# KiCad board 8851_HW-U1-VCU118_REV2-0_071417.kicad_pcb (continued)
## Routing (per net, layer and track width the routed paths; a pad name or vN(x,y) marks a point on that pad's centre or on a via; arc(x,y) is an arc through that point) (continued)
FPGA_M0: length 269.9
  TOP w0.15: 109.98,51.52 v2(109.49,51.03) ; 28.2,121.35 28.2,120.25 v3(28.12,120.17) ; v3(118.21,27.02) 118.21,27.23 118.29,27.32 118.29,30.2 118.86,30.77
  14_SIG4 w0.087: v2(109.49,51.03) 109.98,50.53 109.98,48.9 109.98,48.9 109.98,48.85 109.69,48.57 109.2,48.57 108.99,48.36 108.99,46.89 108.7,46.6 108.3,46.6 108.01,46.31 108.01,45.76 107.87,45.61 107.26,45.61 107.03,45.38 107.03,44.92 106.74,44.63 106.33,44.63 106.33,44.63 106.31,44.63 106.04,44.36 106.04,43.81 105.87,43.64 105.35,43.64 105.06,43.36 105.06,43.31 105.06,43.31 105.06,41.61 96.48,33.03 96.48,32.29 93.52,29.33 93.52,28.54 91.62,26.65 87.23,26.65 86.35,25.77 84.3,25.77 83.72,26.35 81.65,26.35 81.05,26.95 77.1,26.95 75.45,28.6 70.62,28.6 69.74,29.48 68.8,29.48 68.35,29.93 68.35,30.87 65.95,33.27 65.95,33.81 65.04,34.72 65.04,36.56 60.67,40.94 60.67,64.61 60.32,64.96 60.32,72.19 56.55,75.95 56.55,80.88 47.74,89.69 28.31,89.69 26.72,91.28 13.24,91.28 10.88,93.64 10.88,96.22 7.85,99.25 7.85,122.33 7.68,122.51 7.68,126.63 6.91,127.4 v3(6.91,129.36)
  16_SIG5 w0.087: v3(6.91,129.36) 8.34,129.36 9.2,128.5 13.12,128.5 13.29,128.34 13.29,127.93 13.5,127.72 13.86,127.72 14.08,127.5 14.08,127.16 14.3,126.94 14.63,126.94 14.87,126.7 14.87,125.9 15.46,125.31 15.46,120.06 15.73,119.78 16.47,119.78 16.96,119.29 16.96,119.28 17.58,118.66 26.8,118.66 28.12,119.98 v3(28.12,120.17)
  18_SIG6 w0.087: v3(118.21,27.02) 118.21,28.55 117.57,29.19 114.76,29.19 113.51,30.43 113.51,32.73 113.19,33.06 113.19,36.35 108.99,40.54 108.99,50.53 v2(109.49,51.03)
  BOTTOM w0.15: R133.1 v3(6.91,129.36)
FPGA_M0_R: length 4.7
  TOP w0.15: 12.5,130.09 v6(12.11,129.69) ; U111.M11 v6(18.41,128.91)
  BOTTOM w0.111: 9.3,129.36 9.36,129.29 11.71,129.29 v6(12.11,129.69)
  BOTTOM w0.15: 9.3,129.36 R133.2
FPGA_M1: length 276.2
  TOP w0.15: v3(29.5,120.15) 29.45,120.2 29.45,121.35 ; v2(112.44,52.01) 112.93,52.5 ; 120.11,30.77 120.11,30.2 119.84,29.93 119.18,29.93 118.82,29.57 v3(118.82,29.34)
  03_SIG1 w0.17: v3(29.5,120.15) 29.5,119.67 28.95,119.12 22.22,119.12 20.3,117.2 14.63,117.2 12.8,119.03 12.8,122.6 11.45,123.95 8.57,123.95 7.65,124.88 7.65,129.63 v3(6.8,130.48)
  14_SIG4 w0.087: v2(112.44,52.01) 112.15,51.72 112.15,51.72 111.94,51.52 111.25,51.52 110.96,51.23 110.96,51.18 110.96,51.18 110.96,48.84 110.69,48.57 110.12,48.57 109.98,48.43 109.98,46.78 109.79,46.6 109.28,46.6 109,46.31 109,46.26 108.99,46.26 108.99,45.9 108.7,45.62 108.3,45.62 108.01,45.32 108.01,45.3 108.01,45.3 108.01,43.93 107.72,43.64 106.19,43.64 106.04,43.49 106.04,41.24 97.7,32.9 97.7,32 94.38,28.68 94.38,28.06 92.5,26.18 87.42,26.18 86.54,25.31 84.11,25.31 83.53,25.89 81.45,25.89 80.86,26.48 76.91,26.48 75.26,28.14 70.42,28.14 69.55,29.01 68.61,29.01 67.89,29.73 67.89,30.68 65.45,33.11 65.45,33.6 64.54,34.51 64.54,36.36 60.2,40.7 60.2,64.37 59.28,65.29 59.28,66.32 59.61,66.65 59.61,71.85 56.01,75.46 56.01,80.58 53.4,83.19 51.11,83.19 45.11,89.19 28.1,89.19 26.51,90.78 13.04,90.78 10.38,93.44 10.38,96.02 6.23,100.17 6.23,124.14 6.99,124.9 6.99,125.58 6.31,126.26 6.31,129.99 v3(6.8,130.48)
  18_SIG6 w0.087: v3(118.82,29.34) 118.82,29.41 118.88,29.47 118.88,29.65 114.28,34.26 114.28,36.8 110.96,40.11 110.96,50.31 111.19,50.53 111.77,50.53 111.95,50.71 111.95,51.52 v2(112.44,52.01)
  BOTTOM w0.15: R135.1 v3(6.8,130.48)
FPGA_M1_R: length 4.4
  TOP w0.15: 12.5,130.88 v6(12.11,130.48)
  BOTTOM w0.111: 8.94,130.86 8.96,130.87 11.72,130.87 v6(12.11,130.48)
  BOTTOM w0.15: R135.2 8.57,130.48 8.94,130.86
FPGA_M2: length 281.2
  TOP w0.15: v3(121.19,29.18) 121.19,30.47 121.49,30.77 ; 30.7,121.35 30.7,120.5 v3(30.38,120.17) ; v2(111.45,52.01) 111.95,52.5
  03_SIG1 w0.17: v3(6.92,132.75) 8.3,131.38 8.3,129.33 9.1,128.53 9.1,126.88 8.43,126.21 8.43,124.87 8.8,124.5 11.68,124.5 13.03,123.15 13.05,123.15 13.35,122.85 13.35,119.33 13.95,118.72 14.57,118.72 15.55,117.75 20.07,117.75 21.99,119.66 28.51,119.66 28.75,119.9 28.75,120.45 29.02,120.72 29.83,120.72 v3(30.38,120.17)
  14_SIG4 w0.087: v3(6.92,132.75) 7.67,132.01 7.67,127.34 8.18,126.84 8.18,122.81 9.79,121.19 9.79,114.64 8.8,113.65 8.8,99.22 11.38,96.65 11.38,93.85 13.45,91.77 26.93,91.77 28.51,90.19 48.73,90.19 57.95,80.97 57.95,75.26 60.82,72.39 60.82,66.96 61.45,66.33 61.45,65.4 61.34,65.28 61.34,46.55 61.13,46.34 61.13,41.18 65.54,36.77 65.54,34.92 66.45,34.01 66.45,33.42 70.81,29.06 75.64,29.06 77.29,27.41 81.24,27.41 81.84,26.81 83.91,26.81 84.49,26.23 86.16,26.23 87.03,27.11 90.02,27.11 95.12,32.21 95.12,32.74 104.07,41.7 104.07,43.45 104.27,43.64 104.82,43.64 105.05,43.88 105.05,44.4 105.28,44.63 105.75,44.63 106.04,44.92 106.04,45.32 106.33,45.61 106.53,45.61 106.53,45.61 106.74,45.61 107.02,45.9 107.02,46.27 107.03,46.28 107.03,46.31 107.31,46.6 107.8,46.6 108.01,46.81 108.01,48.31 108.27,48.57 108.72,48.57 108.99,48.84 108.99,51.23 109.28,51.52 110.71,51.52 111.2,52.01 v2(111.45,52.01)
  18_SIG6 w0.087: v2(111.45,52.01) 110.96,51.52 110.96,50.81 110.68,50.53 110.17,50.53 109.98,50.34 109.98,40.33 113.73,36.57 113.73,33.97 115.27,32.43 115.27,31.11 116.59,29.8 117.62,29.8 118.59,28.82 120.83,28.82 v3(121.19,29.18)
  BOTTOM w0.15: R83.1 v3(6.92,132.75)
FPGA_M2_R: length 1.7
  TOP w0.15: 10.14,132.45 v6(9.75,132.84)
  BOTTOM w0.15: v6(9.75,132.84) 9.66,132.75 R83.2
FPGA_PROG_B: length 388.9
  TOP w0.375: 120.8,52.5 v2(121.3,52.01) ; v3(99.95,135.43) 99.72,135.21 99.72,134.58 99.42,134.28 SW4.2 ; 11.72,127.73 v6(11.32,127.33) ; v3(92.53,133.9) 90.4,133.9 SW4.1
  07_SIG3 w0.25: 102.08,41.58 102.08,43.37 102.38,43.67 103.79,43.67 104.1,43.98 104.1,44.33 104.37,44.6 104.8,44.6 105.09,44.89 105.09,45.31 105.36,45.58 105.7,45.58 106.07,45.95 106.07,46.3 106.34,46.57 106.75,46.57 107.05,46.87 107.05,47.28 107.33,47.55 107.67,47.55 107.99,47.87 107.99,48.34 108.23,48.58 108.78,48.58 108.99,48.79 108.99,49.28 109.25,49.54 109.72,49.54 109.99,49.81 109.99,50.27 110.3,50.58 110.69,50.58 110.92,50.8 110.92,51.25 111.18,51.51 120.79,51.51 v2(121.3,52.01)
  07_SIG3 w0.375: v3(66.12,135.86) 66.12,138.8 63.7,141.22 61.69,141.22 59.04,143.87 58.31,143.87 57.71,144.48 57.71,146.62 56.14,148.19 56.14,148.83 53,151.97 53,153.28 50.12,156.16 47.67,156.16 43.28,160.55 26.47,160.55 18.33,168.69 4.12,168.69 v3(2.25,166.83) ; v3(61.86,43.91) 61.86,41.89 66.6,37.15 66.6,32.53 68,31.12 75.45,31.12 76.59,32.27 85.99,32.27 86.21,32.05 88.65,32.05 91.95,35.35 94.03,35.35 96.41,37.73 98.29,37.73 102.08,41.52 102.08,41.58
  16_SIG5 w0.125: v6(11.32,127.33) 11.71,127.72 12.28,127.72 12.5,127.5 12.5,127.18 12.85,126.83 12.85,126.6 12.62,126.6 12.28,126.93 11.72,126.93 v6(11.32,127.33) ; v6(11.32,127.33) 10.93,126.94 9.15,126.94 8.86,126.65 8.34,126.65 7.9,127.09 7.9,127.16 8.37,127.63 9.09,127.63 9.18,127.72 10.93,127.72 v6(11.32,127.33)
  16_SIG5 w0.375: 12.85,126.6 14.39,125.06 14.39,120.91 14.85,120.45 14.85,119.17 16.35,117.67 19.68,117.67 20.35,117 20.35,115.47 19.38,114.5 19.38,106.42 18.62,105.67 18.62,93.97 22.07,90.52 31.65,90.52 32.77,91.65 v3(39.27,91.65) ; v3(2.25,166.83) 2.25,155.2 8.43,149.02 8.43,142.48 5.15,139.2 5.15,128.82 6.81,127.16 7.9,127.16
  18_SIG6 w0.375: v3(61.86,43.91) 61.31,43.91 60.52,44.7 60.52,60.78 55.73,65.58 55.73,66.35 50.45,71.62 45.45,71.62 43.75,73.33 41.35,73.33 40.55,74.12 40.55,80.17 40.1,80.62 40.1,90.83 v3(39.27,91.65)
  BOTTOM w0.375: v3(2.25,166.83) 2.5,166.58 R140.1 ; v3(66.12,135.86) 67.78,137.53 88.91,137.53 v3(92.53,133.9) 94.88,136.25 99.13,136.25 v3(99.95,135.43) 100.37,135.01 R53.2
FPGA_SYSMON_VCC: length 2.5
  TOP w0.375: v2(114.41,58.9) 114.9,59.39
  BOTTOM w0.25: 116,58.42 115.15,58.42 114.67,58.9 v2(114.41,58.9)
  vias: v3(123.12,29.05) v3(123.5,29.79)
FPGA_TDO_FMC_TDI: length 240.4
  TOP w0.15: v2(117.36,53.98) 116.87,54.47 ; U19.3 52.16,144.13 51.88,144.41 51.88,145.66 51.47,146.07 49.81,146.07 v3(49.07,146.81)
  07_SIG3 w0.17: v3(49.07,146.81) 49.73,146.15 51.19,146.15 51.93,145.41 51.93,142.52 52.22,142.22 53.22,142.22 54.12,141.32 54.12,127.31 54.41,127.02 54.41,121.65 53.27,120.52 53.27,90.15 46.28,83.16 46.28,82.47 43.4,79.59 41.84,79.59 39.25,77 35.8,77 30.85,72.05 30.85,67.8 35.5,63.15 35.5,53.28 44.3,44.47 44.3,42.6 47.1,39.8 50.42,39.8 51.05,39.17 v3(52.92,39.17)
  14_SIG4 w0.087: v3(52.92,39.17) 53.59,38.51 60.22,38.51 62.95,35.77 62.95,34.04 63.99,33 63.99,32.61 66.5,30.1 66.5,29.16 68.08,27.57 69.03,27.57 70.17,26.43 70.17,25.32 70.75,24.75 78.54,24.75 81.04,22.25 86.43,22.25 87.75,23.58 92.64,23.58 93.34,22.88 95.94,22.88 100.81,27.74 103.43,27.74 104.11,28.43 104.11,29.11 105.47,30.46 105.47,33.24 111.95,39.72 111.95,43.4 112.19,43.65 112.71,43.65 112.93,43.87 112.93,45.35 113.2,45.62 113.63,45.62 113.91,45.9 113.91,46.31 114.06,46.46 114.07,46.46 114.2,46.6 114.76,46.6 114.9,46.73 114.9,48.31 115.16,48.57 115.63,48.57 115.91,48.84 115.91,51.28 116.09,51.46 116.09,53.2 116.87,53.98 v2(117.36,53.98)
FPGA_TDO_FMC_TDI_BUF: length 27.4
  TOP w0.15: U19.21 59.13,143.49 58.23,144.4 58.23,145.83 58.58,146.18 59.52,146.18 60.2,146.85 60.2,148.53 61.23,149.55 v3(62.27,149.55) ; J22.D30 v3(69,159.5)
  BOTTOM w0.15: v3(69,159.5) 68.4,158.9 68.4,150.83 66.6,149.03 64.65,149.03 64.01,149.66 63.44,149.66 62.39,149.66 v3(62.27,149.55)
FPGA_VBATT: length 57.8
  TOP w0.375: 128.68,52.5 v2(129.17,52.01) ; v3(166.83,24.53) 167.31,24.05 168.8,24.05
  18_SIG6 w0.25: 139.58,46.27 139.24,46.61 131.86,46.61 131.63,46.84 131.63,47.28 131.33,47.58 130.86,47.58 130.65,47.8 130.65,48.31 130.39,48.57 129.94,48.57 129.66,48.84 129.66,49.26 129.38,49.55 128.99,49.55 128.68,49.86 128.68,51.52 v2(129.17,52.01)
  18_SIG6 w0.5: 139.58,46.27 152.07,33.78 158.62,33.78 159.43,32.98 159.43,29.55 160.12,28.85 162.51,28.85 v3(166.83,24.53)
  BOTTOM w0.375: 167.85,24.29 167.06,24.29 v3(166.83,24.53)
GPIO_DIP_SW1: length 117.6
  TOP w0.15: v2(94.72,57.92) 95.21,58.41 ; 63.2,67.38 v3(62.12,67.38)
  14_SIG4 w0.087: v2(94.72,57.92) 95.21,57.42 104.77,57.42 105.06,57.14 105.06,56.73 105.34,56.44 105.75,56.44 106.04,56.15 106.04,55.74 106.33,55.46 106.74,55.46 107.02,55.17 107.02,54.76 107.31,54.47 107.72,54.47 108.01,54.18 108.01,48.72 107.85,48.56 107.4,48.56 107.4,48.56 107.31,48.56 107.03,48.28 107.03,46.84 106.79,46.6 106.33,46.6 106.31,46.58 106.3,46.58 106.05,46.33 106.05,46.32 106.04,46.31 106.04,45.89 105.76,45.61 105.29,45.61 105.06,45.38 105.06,44.86 104.83,44.63 104.36,44.63 104.07,44.34 104.07,44.3 104.07,44.29 104.07,43.89 103.82,43.64 103.38,43.64 103.09,43.35 103.09,41.93 93.83,32.67 93.83,32.02 89.88,28.07 80.3,28.07 80.1,27.87 77.48,27.87 75.83,29.53 71,29.53 66.94,33.58 66.94,34.22 66.04,35.13 66.04,36.98 63.05,39.96 63.05,42.9 63.85,43.69 63.85,44.81 61.87,46.79 61.87,62.89 63.38,64.39 63.38,66.13 v3(62.12,67.38)
  BOTTOM w0.15: v3(62.12,67.38) 61.87,67.63 60.92,67.63
  BOTTOM w0.375: v3(59.12,67.59) 59.16,67.63 R51.1
GPIO_DIP_SW2: length 114
  TOP w0.15: v2(99.64,56.93) 100.13,57.42 100.13,57.42 ; 63.2,68.63 v3(62.12,68.63)
  TOP w0.375: v2(108.5,81.54) U1.G16
  14_SIG4 w0.087: v3(62.12,68.63) 61.5,69.25 61.5,70.17 61.88,70.55 62.62,70.55 65.13,68.05 65.13,62.79 63.19,60.85 63.19,55.12 63.62,54.69 63.62,46.35 64.77,45.19 64.77,43.25 63.98,42.46 63.98,40.44 65.81,38.61 67.5,38.61 68.46,37.64 68.46,34.12 68.83,33.75 69.36,33.75 72.66,30.45 76.21,30.45 77.87,28.8 79.68,28.8 79.87,29 88.43,29 99.63,40.2 99.64,40.2 101.12,41.68 101.12,43.35 101.41,43.64 101.89,43.64 102.11,43.86 102.11,44.43 102.3,44.63 102.82,44.63 103.09,44.89 103.09,46.41 103.27,46.6 104.87,46.6 105.1,46.83 105.1,48.33 105.28,48.5 105.79,48.5 106.04,48.75 106.04,53.2 105.75,53.49 105.34,53.49 105.06,53.78 105.06,54.18 104.77,54.47 104.36,54.47 104.07,54.76 104.07,55.17 103.78,55.46 102.39,55.46 102.1,55.74 102.1,56.15 101.82,56.44 100.13,56.44 v2(99.64,56.93)
  BOTTOM w0.15: v3(62.12,68.63) 61.87,68.88 60.92,68.88
  BOTTOM w0.375: v3(59.12,68.84) 59.16,68.88 R50.1
GPIO_DIP_SW3: length 110.2
  TOP w0.15: v2(101.61,56.93) 102.1,57.42 102.1,57.42 ; 63.2,69.88 v3(62.12,69.88)
  14_SIG4 w0.087: v2(101.61,56.93) 101.81,56.93 102.3,56.44 104.77,56.44 105.06,56.15 105.06,55.74 105.34,55.46 105.75,55.46 106.04,55.17 106.04,54.76 106.33,54.47 106.74,54.47 107.02,54.18 107.02,48.8 106.8,48.58 106.33,48.58 106.04,48.29 106.04,46.78 105.86,46.6 105.35,46.6 105.33,46.58 105.32,46.58 105.05,46.31 105.05,45.78 104.89,45.61 104.36,45.61 104.07,45.32 104.07,44.92 104.07,44.92 104.07,44.83 103.88,44.63 103.3,44.63 103.09,44.41 103.09,43.86 102.88,43.64 102.32,43.64 102.1,43.43 102.1,41.95 88.68,28.53 80.11,28.53 79.91,28.34 77.68,28.34 76.02,29.99 72.47,29.99 69.17,33.29 68.44,33.29 67.67,34.05 67.67,37.46 67.13,38 65.71,38 63.51,40.2 63.51,42.7 64.31,43.49 64.31,45 62.37,46.94 62.37,61.78 64.03,63.44 64.03,67.98 v3(62.12,69.88)
  BOTTOM w0.15: 60.92,70.13 61.87,70.13 v3(62.12,69.88)
  BOTTOM w0.375: R41.1 59.16,70.13 v3(59.12,70.09)
GPIO_DIP_SW4: length 52.2
  TOP w0.15: 97.18,62.35 v2(96.69,61.85) ; 63.2,71.13 v3(62.12,71.13)
  TOP w0.375: v2(113.42,84.49) U1.D21
  BOTTOM w0.15: 60.92,71.26 62,71.26 v3(62.12,71.13) 62.12,72.22 62.88,72.97 64.03,72.97 67.19,69.81 80.05,69.81 80.4,69.46 80.4,66.53 81.47,65.46 81.98,65.46 82.24,65.21 82.24,60.62 83.75,59.11 88.63,59.11 91.86,62.34 96.21,62.34 v2(96.69,61.85)
  BOTTOM w0.375: v3(59.12,71.34) 59.21,71.26 R40.1
GPIO_LED0: length 154.2
  TOP w0.138: 214.86,156.59 214.86,156.03 214.91,155.98 v3(214.91,155.83)
  TOP w0.15: 128.68,73.17 v2(129.17,73.66)
  07_SIG3 w0.17: v3(214.91,155.83) 214.29,156.46 212.84,156.46 212.51,156.13 212.51,155.41 211.42,154.32 211.01,154.32 210.18,153.49 208.41,153.49 207.97,153.04 207.97,152.26 208.48,151.75 208.48,145.04 207.89,144.45 207.89,139.78 204.25,136.14 204.25,134.32 205.55,133.03 205.55,132.16 202.86,129.46 202.86,121.84 185.54,104.52 182.95,104.52 180.15,101.72 164.63,101.72 164.22,102.14 146.12,102.14 145.23,103.02 142.65,103.02 141.99,102.36 136.99,102.36 134.48,99.85 134.48,98.79 133.15,97.46 133.15,96.47 132.38,95.7 131.05,95.7 128.67,93.32 128.67,74.16 v2(129.17,73.66)
  BOTTOM w0.15: v3(214.91,155.83) 214.91,155.96 214.84,156.03 214.84,156.57
GPIO_LED1: length 140.6
  TOP w0.138: 212.86,156.59 212.86,156.03 213.05,155.83 v3(213.05,155.82)
  TOP w0.15: 130.65,75.14 v2(131.14,75.63)
  07_SIG3 w0.17: v3(166.55,93.22) 166.55,93.88 169.4,96.73 169.4,98.64 171.93,101.17 181.78,101.17 183.24,102.64 184.9,102.64 203.48,121.21 203.48,129.19 206.1,131.81 206.1,133.25 204.8,134.55 204.8,135.91 208.44,139.55 208.44,144.23 209.02,144.81 209.02,151.56 211.24,153.78 211.65,153.78 213.05,155.19 v3(213.05,155.82)
  20_SIG7 w0.087: v3(166.55,93.22) 165.68,92.35 165.68,86.03 164.8,85.15 153.72,85.15 v3(150.75,82.18)
  BOTTOM w0.15: 212.84,156.57 212.84,156.03 v3(213.05,155.82) ; v3(150.75,82.18) 150.75,81.59 149.89,80.74 146.09,80.74 143.45,78.09 134.84,78.09 134.58,77.83 134.58,77.41 134.29,77.11 133.81,77.11 133.6,76.9 133.6,75.44 133.3,75.14 131.61,75.14 131.14,75.61 v2(131.14,75.63)
GPIO_LED2: length 181.5
  TOP w0.138: 210.98,156.59 210.98,156.03 211.18,155.83 v3(211.18,155.82)
  TOP w0.15: 132.62,71.2 v2(133.11,71.7)
  TOP w0.375: R122.1 v3(209.66,157.34)
  03_SIG1 w0.17: v2(133.11,71.7) 132.61,71.2 132.61,71.2 131.79,71.2 131.63,71.04 131.63,70.35 131.5,70.22 129.91,70.22 129.66,69.97 129.66,69.52 129.37,69.23 127,69.23 126.71,69.52 126.71,70.02 126.51,70.22 125.91,70.22 125.73,70.4 125.73,70.92 125.44,71.2 125.44,71.2 124.96,71.2 124.74,71.42 124.74,71.95 124.5,72.19 124.45,72.19 124.04,72.19 123.79,72.44 123.79,72.45 123.76,72.48 123.76,74.85 124.05,75.14 124.5,75.14 124.74,75.38 124.74,75.93 124.94,76.12 125.44,76.12 125.73,76.41 125.73,76.86 125.97,77.11 126.49,77.11 126.71,77.32 126.71,77.85 126.96,78.09 127.46,78.09 127.69,78.32 127.69,79.77 127.98,80.06 128.39,80.06 128.39,80.06 128.4,80.06 128.66,80.32 128.66,80.33 128.68,80.35 128.68,80.76 128.97,81.05 129.41,81.05 129.66,81.29 129.66,81.33 129.66,81.33 129.66,81.75 129.9,81.99 129.91,81.99 129.95,82.03 138.29,82.03 138.52,82.26 138.52,82.75 138.78,83.01 139.22,83.01 139.23,83.03 139.25,83.03 141.29,85.07 141.29,96.44 140.27,97.46 140.27,98.63 141.29,99.66 141.29,101.96 140.49,102.76 140.49,104.16 142.46,106.14 145.34,106.14 146.19,106.99 151.59,106.99 152.5,107.9 155.16,107.9 159.23,111.97 162.02,111.97 165.37,115.31 165.37,117.48 167.02,119.13 167.02,125.96 169.58,128.53 169.58,135.38 171.6,137.4 172.15,137.4 174.6,139.85 182.97,139.85 188.55,134.28 188.55,134 191.03,131.53 197.68,131.53 198.7,132.55 198.7,136.2 199.32,136.82 200.95,136.82 204.35,140.22 204.35,146.23 206.72,148.61 206.72,150.12 207.38,150.78 208.13,150.78 209,151.65 209,152.42 210.86,154.28 211.47,154.28 211.83,154.65 211.83,154.97 211.18,155.63 v3(211.18,155.82)
  BOTTOM w0.15: 210.96,156.57 210.96,156.03 v3(211.18,155.82)
  BOTTOM w0.375: v3(210.1,155.83) 210.18,155.91 Q14.1
GPIO_LED3: length 158
  TOP w0.138: v3(209.3,155.82) 209.3,155.83 209.11,156.03 209.11,156.59
  TOP w0.15: 134.58,73.17 v2(135.08,73.66)
  TOP w0.375: R121.1 v3(207.78,157.34)
  05_SIG2 w0.17: v2(143.03,91.1) 143.03,95.21 143.84,96.03 143.84,98.22 145.49,99.86 145.49,100.85 146.53,101.89 146.53,103.22 147.2,103.9 147.2,104.38 147.75,104.92 154.23,104.92 155.05,105.75 156.3,105.75 157.21,104.85 165.08,104.85 171.84,111.6 173.07,111.6 181.73,120.27 186.57,120.27 195.65,129.35 198.3,129.35 199.85,130.9 199.85,136.24 204.09,140.48 204.09,145.82 203.32,146.59 203.32,147.58 202.94,147.96 202.94,148.95 202.23,149.66 201.64,149.66 201.22,150.09 201.22,151.5 201.72,152 203.27,152 203.77,152.5 203.77,152.8 204.18,153.21 204.27,153.21 205.66,154.6 206.53,154.6 206.77,154.37 207.84,154.37 v3(209.3,155.82)
  BOTTOM w0.15: v2(143.03,91.1) 134.9,91.1 131.62,87.83 131.62,86.2 131.4,85.97 130.97,85.97 130.65,85.65 130.65,85.28 130.35,84.98 128.91,84.98 128.68,84.75 128.68,84.29 128.38,84 128.05,84 127.69,83.64 127.69,83.31 127.4,83.01 127.04,83.01 126.71,82.68 126.71,75.44 127.01,75.14 128.38,75.14 128.68,74.85 128.68,74.4 128.92,74.16 129.37,74.16 129.66,73.86 129.66,73.41 129.9,73.17 130.35,73.17 130.65,72.87 130.65,72.49 130.95,72.19 134.41,72.19 134.58,72.36 134.58,72.88 135.08,73.37 v2(135.08,73.66) ; 209.09,156.57 209.09,156.03 v3(209.3,155.82)
  BOTTOM w0.375: Q13.1 208.3,155.96 v3(208.18,155.84)
GPIO_LED4: length 158
  TOP w0.138: 207.11,156.59 207.11,156.03 207.3,155.83 v3(207.3,155.82)
  TOP w0.15: v2(139.01,73.66) 138.52,73.17
  TOP w0.375: R120.1 v3(205.82,157.3)
  05_SIG2 w0.17: v3(207.3,155.82) 206.97,155.82 206.29,155.14 205.43,155.14 204.4,154.11 200.78,154.11 200.32,153.65 198.66,153.65 198.3,153.29 196.61,153.29 196.17,153.74 189.96,153.74 189.39,153.16 182.27,153.16 178.02,148.92 172.68,148.92 167.25,143.48 167.25,139.25 166.13,138.13 166.13,130.15 166.45,129.83 170.77,125.5 170.77,122.91 167.87,120.01 167.87,111.91 164.19,108.23 159.45,108.23 159.13,108.56 153.39,108.56 152.81,107.98 151.91,107.98 151.42,108.47 150.02,108.47 149.53,107.98 146.45,107.98 144.64,106.17 142.63,106.17 140.35,103.9 140.35,101.56 141.73,100.18 141.73,87.28 139.43,84.98 137.78,84.98 137.57,84.78 137.57,84.27 137.31,84.01 136.8,84.01 136.55,83.76 136.55,83.28 136.29,83.01 135.86,83.01 135.57,82.72 135.57,82.32 135.28,82.03 134.79,82.03 134.59,81.82 134.59,81.26 134.37,81.05 133.84,81.05 133.6,80.81 133.6,80.29 133.39,80.08 132.84,80.08 132.64,79.88 132.64,78.32 132.9,78.07 134.34,78.07 134.59,77.81 134.59,77.38 134.87,77.1 135.34,77.1 135.55,76.89 135.55,76.44 135.87,76.12 136.29,76.12 136.53,75.87 136.53,75.43 136.82,75.14 137.24,75.14 137.52,74.87 137.52,74.44 137.79,74.17 138.19,74.17 138.69,73.66 v2(139.01,73.66)
  BOTTOM w0.15: v3(207.3,155.82) 207.09,156.03 207.09,156.57
  BOTTOM w0.375: Q12.1 206.3,155.9 v3(206.24,155.84)
GPIO_LED5: length 148.4
  TOP w0.138: v3(205.43,155.82) 205.43,155.83 205.23,156.03 205.23,156.59
  TOP w0.15: 129.66,78.09 v2(130.15,78.59)
  05_SIG2 w0.17: v3(205.43,155.82) 204.74,156.51 203.63,156.51 203.39,156.26 193.42,156.26 191.87,154.72 190.18,154.72 189.17,153.71 182.04,153.71 177.82,149.49 172.41,149.49 166.7,143.78 166.7,139.48 165.58,138.36 165.58,129.92 170.23,125.28 170.23,123.34 167.24,120.36 167.24,112.13 163.89,108.78 159.68,108.78 159.35,109.1 153.16,109.1 152.59,108.53 152.13,108.53 150.41,110.25 144.87,110.25 144.28,109.66 143.13,109.66 141.42,107.94 141.42,105.76 139.81,104.16 139.81,103.41 138.97,102.58 138.97,99.25 139.63,98.58 139.63,86.93 138.67,85.97 137.73,85.97 137.45,85.69 137.45,85.31 137.21,85.07 136.81,85.07 136.53,84.79 136.53,84.29 136.26,84.02 135.79,84.02 135.57,83.79 135.57,83.28 135.31,83.01 134.8,83.01 134.59,82.8 134.59,82.29 134.34,82.04 133.85,82.04 133.62,81.82 133.62,81.36 133.33,81.07 132.86,81.07 132.63,80.84 132.63,80.3 132.4,80.07 131.87,80.07 131.64,79.84 131.64,79.35 131.36,79.07 130.83,79.07 130.35,78.59 v2(130.15,78.59)
  BOTTOM w0.15: 205.21,156.57 205.21,156.03 v3(205.43,155.82)
GPIO_LED6: length 140.2
  TOP w0.138: v3(201.43,152.7) 201.43,152.71 201.23,152.9 201.23,153.47
  TOP w0.15: 130.65,77.11 v2(131.14,77.6)
  07_SIG3 w0.17: v3(167.77,92.32) 170.23,94.79 170.23,98.44 171.3,99.51 182.21,99.51 183.27,100.57 184.68,100.57 204.4,120.29 204.4,126.85 v3(204.4,126.85)
  14_SIG4 w0.087: v3(201.43,152.7) 201.43,150.47 202.92,148.98 202.92,147.95 203.28,147.6 203.28,146.62 204.25,145.65 204.25,135.33 202.18,133.25 202.18,131.27 204.4,129.05 v3(204.4,126.85)
  20_SIG7 w0.087: v3(150.76,80.74) 154.63,84.6 165.04,84.6 166.26,85.82 166.26,90.82 v3(167.77,92.32)
  BOTTOM w0.15: 201.21,153.45 201.21,152.91 v3(201.43,152.7) ; v2(131.14,77.6) 131.14,77.26 130.62,76.75 130.62,74.47 130.94,74.16 133.36,74.16 133.6,74.4 133.6,74.84 133.9,75.14 134.29,75.14 134.58,75.43 134.58,76.81 134.88,77.11 143.38,77.11 146.65,80.37 150.4,80.37 v3(150.76,80.74)
GPIO_LED7: length 137.8
  TOP w0.138: 199.11,153.97 199.11,153.4 199.41,153.1 v3(199.62,153.1)
  TOP w0.15: 133.6,78.09 v2(134.09,78.59)
  05_SIG2 w0.17: v2(134.09,78.59) 133.61,79.07 133.61,79.79 133.87,80.06 134.35,80.06 134.59,80.29 134.59,80.79 134.87,81.06 135.36,81.06 135.58,81.28 135.58,81.81 135.8,82.03 136.32,82.03 136.54,82.25 136.54,82.74 136.81,83.01 138.3,83.01 138.53,83.24 138.53,83.72 138.82,84.02 139.33,84.02 142.44,87.13 142.44,100.24 141.4,101.28 141.4,101.97 146.71,107.28 152.88,107.28 153.62,108.01 158.68,108.01 159.27,107.43 159.27,106.87 159.85,106.28 164.36,106.28 168.45,110.37 168.45,119.65 171.32,122.52 171.32,125.73 166.67,130.37 166.67,137.9 167.79,139.02 167.79,143.25 172.92,148.37 178.24,148.37 181.72,151.85 189.26,151.85 190.51,153.1 196.03,153.1 196.43,152.71 198.49,152.71 198.88,153.1 v3(199.62,153.1)
  BOTTOM w0.15: 199.09,153.95 199.09,153.39 199.38,153.1 v3(199.62,153.1)
GPIO_SW_C: length 339.7
  TOP w0.15: 20.38,129.3 v6(20.77,128.91) ; 216.7,26.6 v3(214.97,26.6) 207.75,26.6 ; v2(137.04,63.82) 136.55,64.31
  TOP w0.375: U111.B12 v6(19.2,137.57)
  14_SIG4 w0.087: v6(20.77,128.91) 21.16,128.51 21.16,127.96 21.39,127.73 21.83,127.73 22.25,127.3 23.15,127.3 24.14,126.31 24.14,123.77 25.57,122.34 25.57,119.95 26.1,119.42 26.1,117.33 26.9,116.52 31.93,116.52 34.98,113.47 34.98,105.08 35.62,104.43 35.62,99.9 v3(33.92,98.2)
  20_SIG7 w0.087: v3(214.97,26.6) 214.97,31.48 209.25,37.2 209.1,37.2 203.38,42.91 203.38,44.23 202.29,45.32 202.29,48.77 201.38,49.67 200.35,49.67 196.14,53.89 195.32,53.89 194.84,54.36 192.59,54.36 192.3,54.65 188.73,54.65 188.02,55.36 180.79,55.36 176.3,59.85 176.3,76.75 175.89,77.16 172.01,77.16 169.22,79.95 165.21,79.95 164.96,80.2 152.38,80.2 151.76,79.59 151.76,78.54 150.9,77.67 147.82,77.67 147.15,77 147.15,69.12 142.55,64.52 137.74,64.52 v2(137.04,63.82)
  BOTTOM w0.15: v3(33.92,98.2) 34.1,98.02 49.52,98.02 52.83,94.72 52.83,94.1 55.17,91.75 55.17,84.05 56.63,82.59 56.63,75.26 58.5,73.4 58.5,70.01 58.94,69.57 61.73,69.57 61.91,69.38 62.12,69.38 66.87,64.63 66.87,61.99 67.57,61.29 76.74,61.29 81.6,56.43 81.6,55.86 83.36,54.1 83.36,51.07 83.93,50.5 92.05,50.5 93.06,51.52 106.72,51.52 107.02,51.82 107.02,58.11 107.29,58.38 107.68,58.38 108.01,58.7 108.01,60.08 108.3,60.38 111.65,60.38 111.95,60.67 111.95,61.06 112.24,61.36 112.63,61.36 112.93,61.66 112.93,62.03 113.25,62.35 113.64,62.35 113.91,62.62 113.91,63.03 114.21,63.33 115.52,63.33 116.68,62.17 116.68,61.67 116.99,61.36 125.45,61.36 125.73,61.08 125.73,60.57 125.92,60.38 126.41,60.38 126.71,60.08 126.71,59.69 127.01,59.39 127.4,59.39 127.7,59.09 127.7,58.7 127.99,58.41 128.38,58.41 128.68,58.12 128.68,57.72 128.95,57.45 129.34,57.45 129.7,57.09 129.7,56.7 129.96,56.44 132.32,56.44 132.62,56.74 132.62,57.13 132.91,57.42 133.3,57.42 133.6,57.72 133.6,58.05 133.95,58.4 134.28,58.4 134.58,58.7 134.58,59.1 134.88,59.39 135.27,59.39 135.57,59.69 135.57,60.08 135.86,60.38 136.26,60.38 136.55,60.67 136.55,61.03 136.89,61.36 137.24,61.36 137.59,61.71 137.59,63.28 v2(137.04,63.82) ; R46.1 v3(214.97,26.6)
GPIO_SW_E: length 347
  TOP w0.15: 223.82,28.85 v3(223.82,27.02) 223.82,19.9 ; 20.38,127.73 v6(20.77,127.33) ; v2(138.03,63.82) 137.54,64.31
  14_SIG4 w0.087: v6(20.77,127.33) 21.16,126.94 21.16,126.33 22.8,124.7 22.8,121.52 23.32,121 23.32,114.08 24.55,112.85 25.58,112.85 27.63,110.8 27.63,107.44 29.36,105.71 31.18,105.71 33.75,103.15 33.75,99.24 33.43,98.92 33.43,97.85 34.42,96.86 34.42,96.44 34.42,95.83 v3(33.88,95.28)
  20_SIG7 w0.087: v3(223.82,27.02) 222.28,25.48 215.07,25.48 214.31,26.24 214.31,30.91 203.55,41.67 201.28,41.67 200,42.95 198.67,42.95 191.58,50.04 191.58,51.03 187.71,54.89 180.42,54.89 175.74,59.57 175.74,72.71 173.72,74.72 167.1,74.72 165.4,76.42 148.09,76.42 147.61,75.95 147.61,68.7 145.8,66.89 145.64,66.89 142.81,64.06 139.61,64.06 139.42,64.25 138.45,64.25 v2(138.03,63.82)
  BOTTOM w0.15: v2(138.03,63.82) 138.48,63.38 139.2,63.38 139.95,62.62 139.95,60.88 139.45,60.38 138.8,60.38 138.52,60.1 138.52,59.57 138.3,59.35 137.82,59.35 137.55,59.08 137.55,58.72 137.26,58.42 136.87,58.42 136.55,58.11 136.55,57.72 136.21,57.38 135.81,57.38 135.55,57.11 135.55,56.72 135.26,56.42 134.87,56.42 134.57,56.14 134.57,55.74 134.29,55.46 133.9,55.46 133.6,55.16 133.6,54.77 133.3,54.47 132.91,54.47 132.62,54.18 132.62,53.78 132.32,53.49 129.96,53.49 129.66,53.78 129.66,54.13 129.32,54.47 128.96,54.47 128.68,54.75 128.68,55.16 128.37,55.47 127.98,55.47 127.69,55.75 127.69,56.14 127.4,56.44 127.01,56.44 126.71,56.74 126.71,57.13 126.41,57.42 126.01,57.42 125.74,57.69 125.74,58.12 125.45,58.41 117.06,58.41 116.9,58.57 116.9,59.08 115.6,60.38 114.19,60.38 113.91,60.1 113.91,59.67 113.63,59.39 113.23,59.39 112.93,59.1 112.93,58.7 112.63,58.41 112.24,58.41 111.95,58.11 111.95,48.82 111.69,48.57 92.98,48.57 92.8,48.38 81.92,48.38 80.42,49.87 80.42,55.53 77.33,58.62 67.75,58.62 65.8,60.58 65.8,63.42 62.77,66.45 58.48,66.45 57.45,67.47 57.45,72.04 55.55,73.94 55.55,81.75 53.38,83.92 53.38,88.05 52.25,89.17 40.38,89.17 36.55,93 33.73,93 33.2,93.52 33.2,93.92 33.88,94.6 v3(33.88,95.28) ; 223.82,28.38 v3(223.82,27.02)
  BOTTOM w0.375: 223.82,29.36 v3(222.62,29.36)
GPIO_SW_N: length 297.8
  TOP w0.15: 21.16,128.51 v6(21.56,128.12) ; SW10.3 v3(213.53,29.4) SW10.4 ; 134.58,65.3 v2(135.08,65.79)
  14_SIG4 w0.087: v3(213.53,29.4) 212.39,29.4 205.45,36.33 200.4,36.33 198.85,37.89 198.85,41.26 187.65,52.46 187.65,57.93 v3(186.52,59.06)
  20_SIG7 w0.087: v3(65.22,87.86) 65.64,87.44 65.64,85.72 65.19,85.27 64.15,85.27 63.93,85.49 63.02,85.49 62.96,85.44 60.73,85.44 60.09,86.08 60.09,86.77 59.23,87.64 52.04,87.64 41.51,98.16 41.51,100.23 38.08,103.66 38.08,107.52 36.33,109.27 36.33,113.3 30.12,119.5 29.15,119.5 28.7,119.95 28.7,120.65 26.73,122.62 23.26,122.62 21.9,123.99 21.9,125.63 21.16,126.36 21.16,127.73 v6(21.56,128.12) ; v3(186.52,59.06) 187.43,59.06 188.19,59.82 188.19,61.72 181.2,68.71 181.2,72.78 179.68,74.3 179.68,75.92 177.32,78.27 172.45,78.27 169.8,80.92 151.9,80.92 151.18,80.2 147.35,80.2 146.22,79.08 146.22,69.55 142.23,65.56 139.88,65.56 139.67,65.35 135.52,65.35 v2(135.08,65.79)
  BOTTOM w0.111: 119.83,72.7 119.83,72.88 120.02,73.07 122.6,73.07 122.77,72.9 122.77,72.58 ; 130.65,66.58 130.84,66.38 133.71,66.38 133.79,66.3 134.26,66.3 134.77,65.79 v2(135.08,65.79)
  BOTTOM w0.15: 119.83,72.7 119.83,72.49 119.52,72.19 117.19,72.19 116.47,72.9 116.47,73.35 115.67,74.16 106.34,74.16 106,74.5 106,74.88 105.76,75.12 105.37,75.12 105.05,75.44 105.05,75.95 104.88,76.12 104.37,76.12 104.07,76.42 104.07,76.85 103.82,77.11 103.38,77.11 103.09,77.4 103.09,77.86 102.86,78.09 102.4,78.09 102.1,78.39 102.1,78.78 101.81,79.08 101.42,79.08 101.12,79.37 101.12,79.77 100.82,80.06 100.43,80.06 100.13,80.36 100.13,80.75 99.84,81.05 99.45,81.05 99.15,81.34 99.15,81.73 98.85,82.03 98.42,82.03 98.17,82.28 98.17,85.66 97.9,85.92 94.25,85.92 92.27,87.9 67.9,87.9 67.85,87.86 v3(65.22,87.86) ; v3(213.53,29.4) 213.78,29.65 R49.1 ; 122.77,72.58 122.77,72.48 123.07,72.19 126.41,72.19 126.7,71.9 126.7,71.47 126.97,71.2 127.4,71.2 127.69,70.91 127.69,70.43 127.88,70.25 128.35,70.25 128.68,69.92 128.68,69.53 128.97,69.24 129.37,69.24 129.66,68.94 129.66,67.54 129.95,67.25 130.37,67.25 130.65,66.97 130.65,66.58
GPIO_SW_S: length 314.6
  TOP w0.15: 19.59,127.73 v6(19.98,127.33) ; 137.54,63.33 v2(138.03,62.84) ; 207.75,19.35 209.04,19.35 209.29,19.1 v3(215,19.1) 215.25,19.35 216.7,19.35
  05_SIG2 w0.17: v2(138.03,62.84) 138.41,62.84 138.9,62.35 139.72,62.35 146.39,55.69 148.58,55.69 148.93,55.33 149.94,55.33 151.24,56.64 154.31,56.64 v3(155.02,55.93)
  14_SIG4 w0.087: v6(19.98,127.33) 19.59,126.94 19.59,125.4 20.54,124.45 20.54,121.64 21.73,120.45 21.73,114.62 24.73,111.62 26,111.62 27.13,110.49 27.13,107.24 29.16,105.21 30.98,105.21 33.25,102.94 33.25,99.45 32.93,99.12 32.93,97.65 v3(33.92,96.65)
  20_SIG7 w0.087: v3(215,19.1) 207.13,19.1 195.47,30.75 195.47,43.64 189.37,49.75 179.09,49.75 176.29,52.55 170.06,52.55 168.96,53.64 165.7,53.64 165.04,54.3 158.3,54.3 157.22,55.38 155.57,55.38 v3(155.02,55.93)
  BOTTOM w0.15: v3(33.92,96.65) 34.92,97.65 49.02,97.65 52.27,94.4 52.27,93.52 54.55,91.25 54.55,84 56.28,82.27 56.28,74.99 58.15,73.12 58.15,68.9 58.73,68.32 61.73,68.32 62,68.05 62.51,68.05 66.52,64.04 66.52,61.28 68,59.8 77.47,59.8 81.12,56.14 81.12,54.83 81.4,54.55 81.97,54.55 82.67,53.85 82.67,50.9 83.57,50.01 92.51,50.01 93.03,50.53 107.78,50.53 108.01,50.77 108.01,58.11 108.3,58.4 108.69,58.4 108.99,58.7 108.99,59.09 109.29,59.39 111.65,59.39 111.95,59.69 111.95,60.08 112.24,60.38 112.63,60.38 112.93,60.67 112.93,61.06 113.23,61.36 113.62,61.36 113.91,61.66 113.91,62.07 114.19,62.35 115.53,62.35 116.35,61.52 116.35,60.98 116.96,60.38 125.45,60.38 125.73,60.1 125.73,59.67 126,59.39 126.41,59.39 126.71,59.1 126.71,58.69 126.99,58.41 127.4,58.41 127.7,58.11 127.7,57.72 127.99,57.42 128.38,57.42 128.68,57.13 128.68,56.74 128.97,56.44 129.37,56.44 129.6,56.21 129.6,55.81 129.96,55.46 132.32,55.46 132.62,55.75 132.62,56.14 132.91,56.44 133.3,56.44 133.6,56.74 133.6,57.13 133.88,57.41 134.31,57.41 134.6,57.7 134.6,58.13 134.9,58.42 135.29,58.42 135.57,58.7 135.57,59.1 135.86,59.39 136.26,59.39 136.55,59.69 136.55,60.08 136.85,60.38 137.24,60.38 137.54,60.67 137.54,61.06 137.83,61.36 138.22,61.36 138.52,61.66 138.52,62.35 v2(138.03,62.84) ; R47.1 v3(215,19.1)